# Altium PCB Core_Board.PcbDoc
Units mil, origin at the board's own origin, x right, y up, seen from the top; angles counter-clockwise.
Board outline 2080.06 x 2950.04 mil, 2 copper layers (Top Layer, Bottom Layer); 65 components, 67 nets, 313 pads, 77 vias.
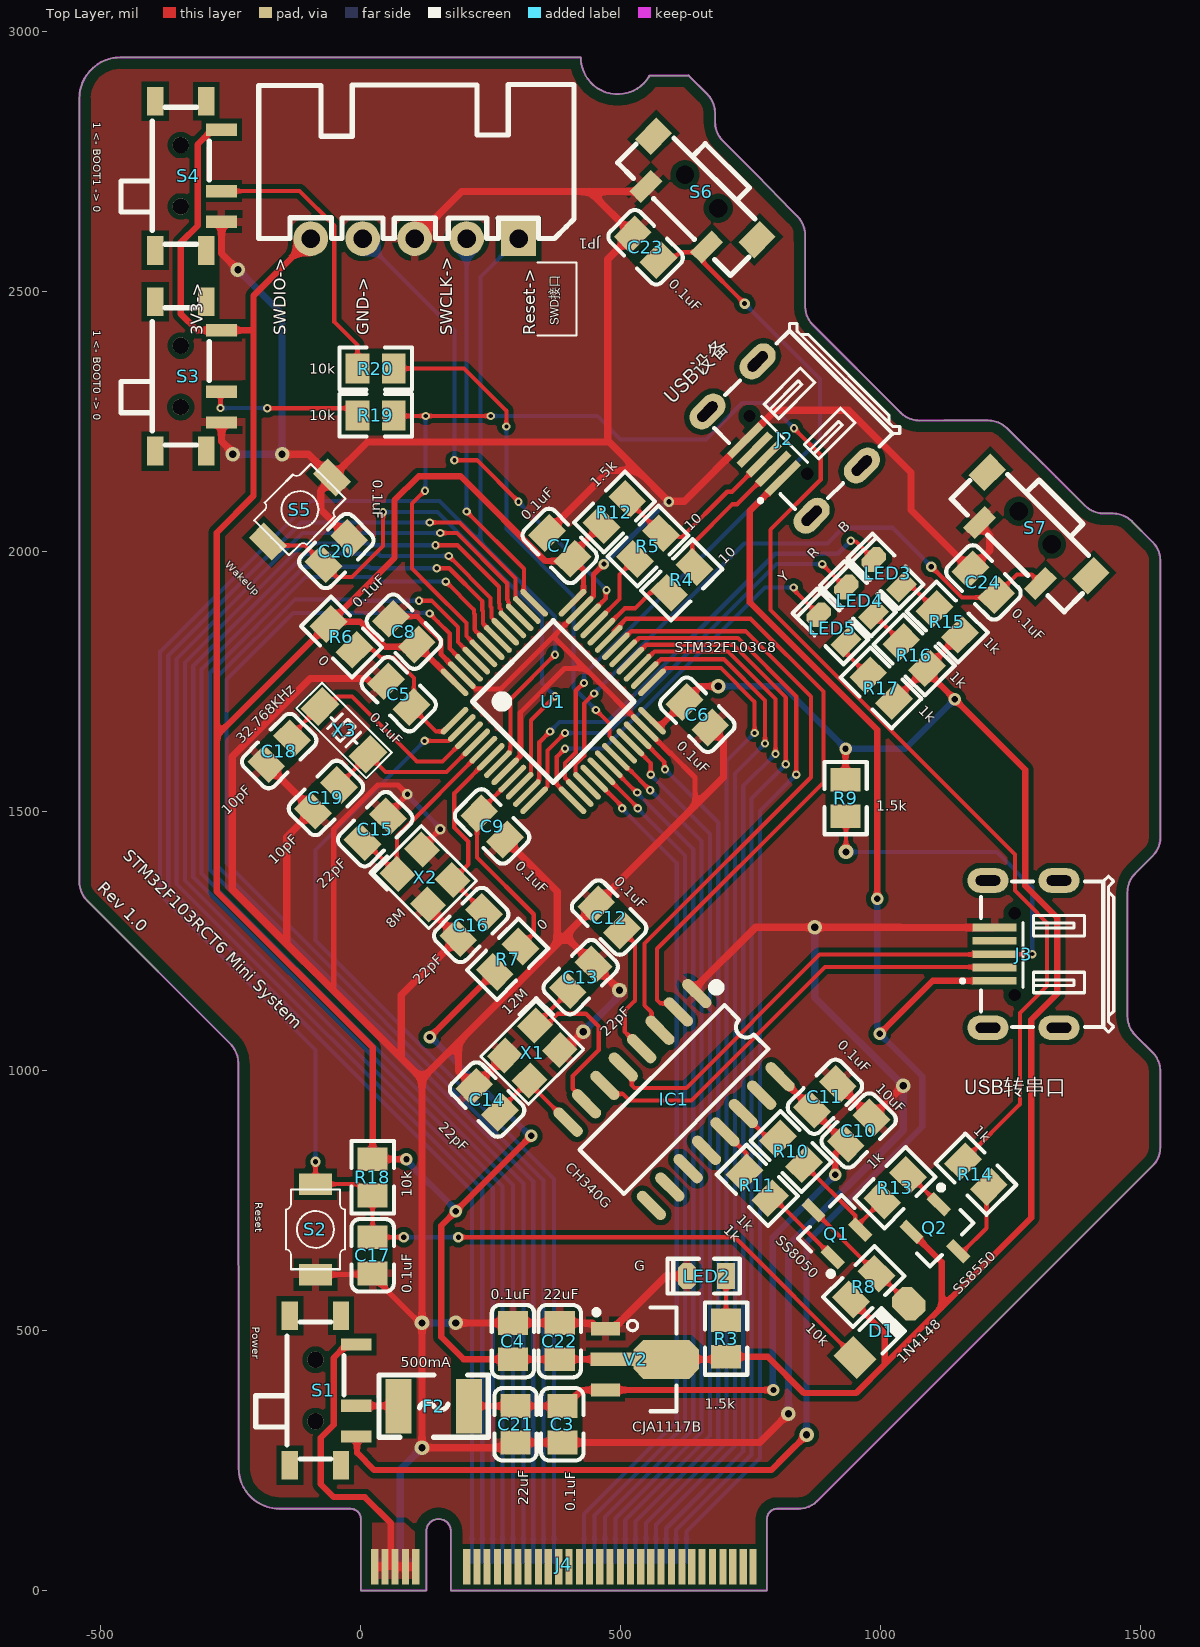
[diagram p0: Top Layer view]
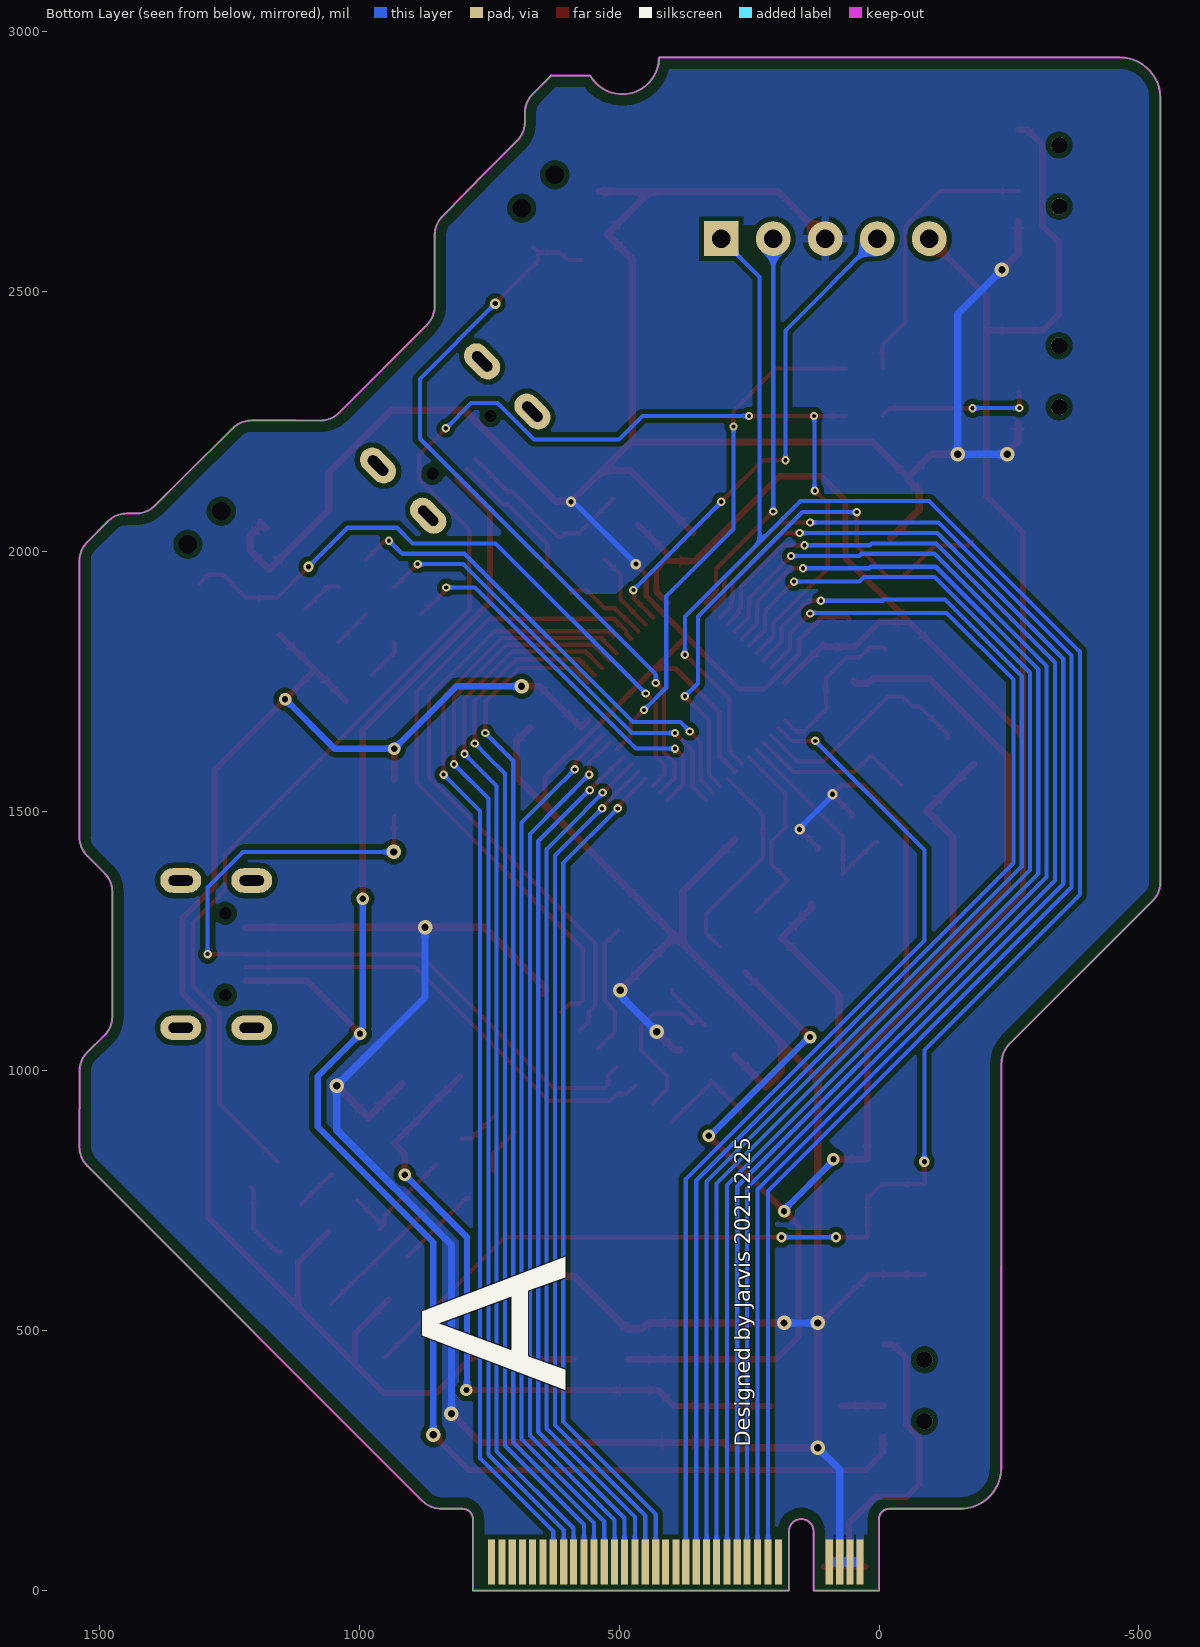
[diagram p1: Bottom Layer view, seen from below]
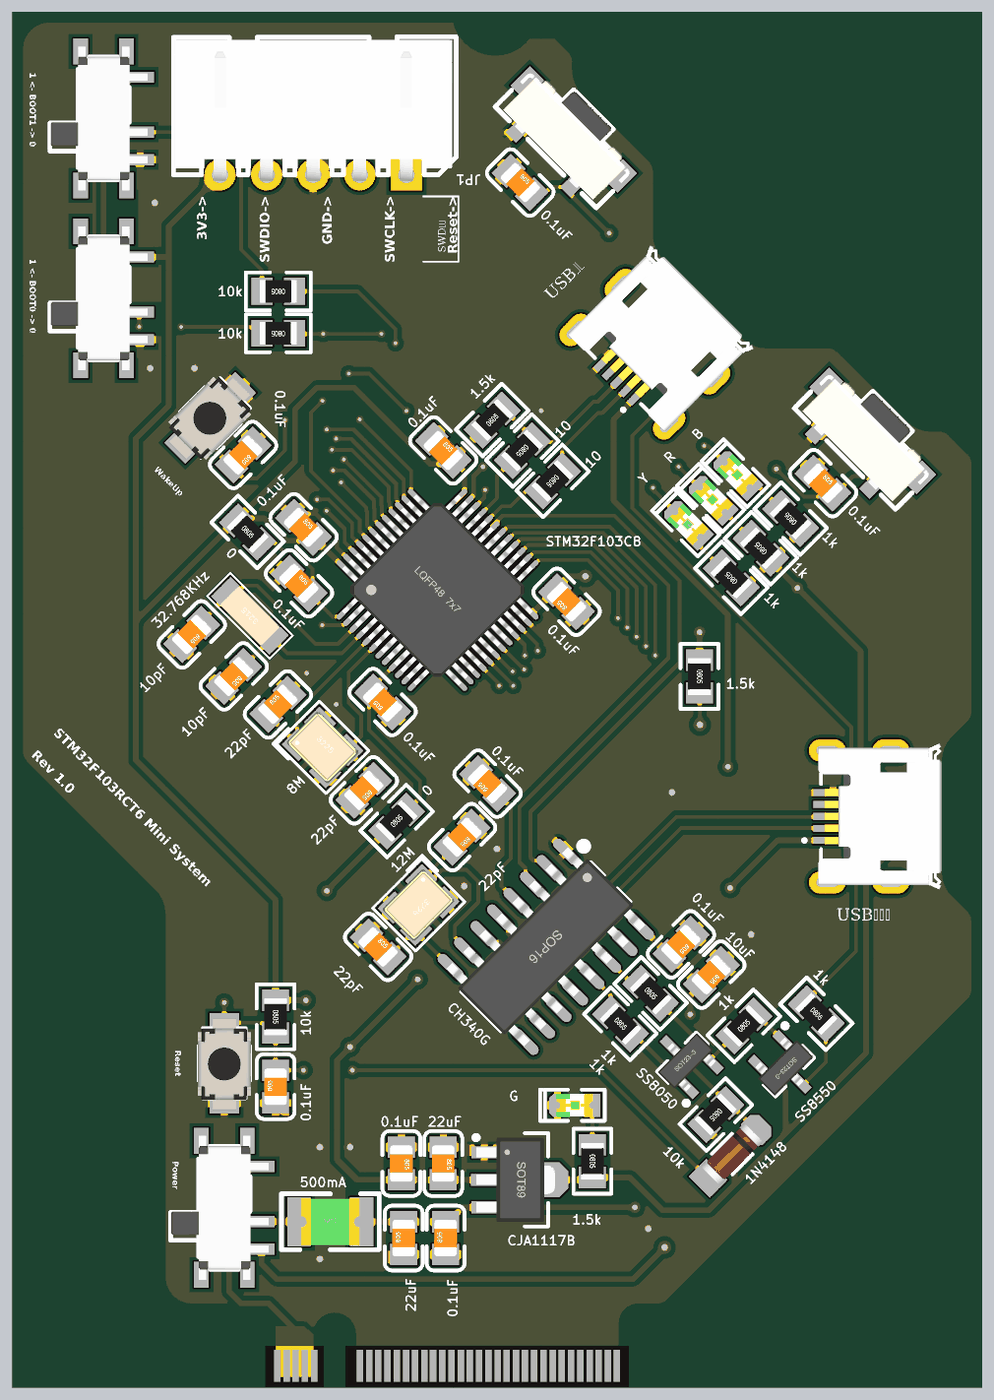
[diagram p2: 3D render of the assembled board from above, using the file's embedded part models]

## Layer stack, top to bottom
Top Solder: solder mask 0.4, Solder Resist, Dk 3.5
Top Layer: signal copper 1.4
Dielectric 1: dielectric 12.6, FR-4, Dk 4.8
Bottom Layer: signal copper 1.4
Bottom Solder: solder mask 0.4, Solder Resist, Dk 3.5

## Board outline
-156.49,157.48 -19.68,157.48 cw(c-19.68,137.8) 0,137.8 0,0 126.02,0 126.02,112.93 125.99,114.17 cw(c149.61,114.17) 173.23,114.17 173.2,112.99 173.2,0 781.5,0 781.5,137.8 cw(c801.18,137.8) 801.18,157.48 842.28,157.48 842.29,157.49 ccw(c842.29,208.7) 878.51,172.49 1523.49,817.47 ccw(c1487.28,853.68) 1538.49,853.68 1538.25,999.75 ccw(c1487.03,999.75) 1523.25,1035.96 1490,1068.79 cw(c1526.21,1105) 1475,1105 1475,1343.8 1475.01,1343.8 cw(c1526.22,1343.8) 1490.01,1380.01 1523.56,1413.56 1523.55,1413.58 ccw(c1487.33,1449.79) 1538.55,1449.79 1538.5,1981.27 ccw(c1487.28,1981.27) 1523.5,2017.48 1483.5,2057.48 ccw(c1447.28,2021.27) 1447.28,2072.48 1429.71,2072.48 cw(c1429.71,2123.69) 1393.5,2087.48 1338.5,2142.48 1243.22,2236.54 ccw(c1207.01,2200.33) 1207.01,2251.54 1207.01,2251.56 1121.8,2251.56 1075.09,2251.26 cw(c1075.09,2302.47) 1038.87,2266.26 870.02,2435.11 870.02,2435.12 cw(c906.24,2471.33) 855.02,2471.33 855.02,2589.98 855,2590 854.85,2608.31 ccw(c803.64,2608.31) 839.85,2644.52 751.48,2734.49 696.48,2789.49 cw(c732.7,2825.71) 681.48,2825.71 681.48,2843.28 ccw(c630.27,2843.28) 666.48,2879.49 630.49,2915.49 630,2915 555.71,2915 cw(c494.1,2950.03) 423.24,2950.03 -462.76,2950.03 -462.76,2950.04 ccw(c-462.76,2871.29) -541.51,2871.29 -541.5,2871.29 -541.5,1363.68 -541.49,1363.68 ccw(c-490.28,1363.68) -526.49,1327.47 -251.51,1052.49 cw(c-289.76,1014.24) -235.67,1014.24 -235.23,236.22 ccw(c-156.49,236.22)

## Design rules (kind name [scope] priority, off if disabled: settings)
Clearance inpolygon_to_keepout [OnLayer('Keep-Out Layer') vs InPolygon] p1: gap=20 ignorepadtopadclearanceinfootprint=FALSE
Clearance Clearance_inpolygon [InPolygon] p2: gap=10 ignorepadtopadclearanceinfootprint=FALSE except(0: Arc-Hole Track-Hole SMDPad-Hole THPad-Hole Via-Hole Fill-Hole Poly-Hole Region-Hole Text-Hole)
Clearance [All] p3: gap=5 ignorepadtopadclearanceinfootprint=FALSE except(0: Arc-Hole Track-Hole SMDPad-Hole THPad-Hole Via-Hole Fill-Hole Poly-Hole Region-Hole Text-Hole; 8: Arc-THPad Arc-Via Arc-Text Track-THPad Track-Via Track-Text SMDPad-THPad SMDPad-Via SMDPad-Text THPad-THPad THPad-Via THPad-Text Via-Via Via-Text Fill-Text Poly-Text Region-Text Text-Text)
ComponentClearance [All] p1: gap=0 collisioncheckmode=3 verticalgap=0 showdistances=FALSE
DiffPairsRouting [All] p1: maxlimit=16 minlimit=16 mostfreqgap=16 toplayer_minwidth=8 toplayer_maxwidth=8 toplayer_prefwidth=8 bottomlayer_minwidth=8 bottomlayer_maxwidth=8 bottomlayer_prefwidth=8 maxuncoupledlength=500
MinimumSolderMaskSliver [All] p1: minsoldermaskwidth=0
PolygonConnect PolygonConnect_5V [InNet('USB_5V_Expansion') vs InNet('USB_5V_Expansion')] p1: connectstyle=Direct reliefconductorwidth=10 reliefentries=4 polygonreliefangle="90 Angle" airgapwidth=10
PolygonConnect [All] p2: thpad.connectstyle=Relief thpad.reliefconductorwidth=15 thpad.reliefentries=4 thpad.polygonreliefangle="90 Angle" thpad.airgapwidth=10 smdpad.connectstyle=Relief smdpad.reliefconductorwidth=15 smdpad.reliefentries=4 smdpad.polygonreliefangle="90 Angle" smdpad.airgapwidth=10 via.connectstyle=Direct via.reliefconductorwidth=10 via.reliefentries=4 via.polygonreliefangle="90 Angle" via.airgapwidth=10
RoutingVias [All] p1: holewidth=10 width=20 viastyle="Through Hole" minholewidth=10 minwidth=20 maxholewidth=10 maxwidth=20
SilkToSilkClearance [All] p1: silktosilkclearance=0
SilkToSolderMaskClearance [IsPad] p1: minsilkscreentomaskgap=0 clearancetoexposedcopper=TRUE
SolderMaskExpansion [All] p1: expansion=4 istentingtop=FALSE
Width Width_GND [InNet('GND')] p1: maxlimit=14 minlimit=10 preferedwidth=14
Width Width_PWR [InNetClass('PWR')] p2: maxlimit=12 minlimit=10 preferedwidth=12
Width [All] p3: maxlimit=8 minlimit=8 preferedwidth=8
25 further rules are at their usual default settings.

## Classes and differential pairs
net class PWR: 3V3 5V USB_5V USB_5V_Core USB_5V_Expansion
differential pair USBtoCH340: +NetIC1_5 -NetIC1_6
differential pair CH340: +CH340_RX -CH340_TX
differential pair USB: +USB_P -USB_N

## Components (designator, comment, footprint, x,y, rotation, side; value= is the part's Value field where it differs from the comment)
C3 "0.1uF" 0805_C 387.71,319.99 r90 top locked value=100nF
C4 "0.1uF" 0805_C 292.71,480.07 r270 top locked value=100nF
C5 "0.1uF" 0805_C 72.93,1724.81 r315 top locked value=100nF
C6 "0.1uF" 0805_C 647.49,1685.25 r135 top locked value=100nF
C7 "0.1uF" 0805_C 382.71,2010.03 r315 top locked value=100nF
C8 "0.1uF" 0805_C 82.71,1845.03 r315 top locked value=100nF
C9 "0.1uF" 0805_C 252.49,1470.25 r135 top locked value=100nF
C10 "10uF" 0805_C 957.93,885.25 r225 top locked value=100nF
C11 "0.1uF" 0805_C 892.93,950.25 r225 top locked value=100nF
C12 "0.1uF" 0805_C 477.71,1295.03 r135 top locked value=100nF
C13 "22pF" 0805_C 422.93,1180.25 r225 top locked value=100nF
C14 "22pF" 0805_C 242.93,944.81 r315 top locked value=100nF
C15 "22pF" 0805_C 27.79,1465.11 r45 top locked value=100nF
C16 "22pF" 0805_C 212.21,1280.69 r225 top locked value=100nF
C17 "0.1uF" 0805_C 22.71,644.99 r90 top locked value=100nF
C18 "10pF" 0805_C -157.07,1615.25 r225 top locked value=100nF
C19 "10pF" 0805_C -67.07,1525.25 r225 top locked value=100nF
C20 "0.1uF" 0805_C -47.07,2000.25 r225 top locked value=100nF
C21 "22uF" 0805_C 297.71,319.99 r90 top locked value=100nF
C22 "22uF" 0805_C 382.71,480.03 r270 top locked value=100nF
C23 "0.1uF" 0805_C 547.93,2584.81 r315 top locked value=100nF
C24 "0.1uF" 0805_C 1197.93,1939.81 r315 top locked value=100nF
D1 "1N4148" "MINI_MELF (LL34)" 1002.71,500.03 r45 top locked
F2 "500mA" "FU 1210" 140.21,355.03 r0 top locked
IC1 "CH340G" SOP16_N 602.71,945.03 r315 top locked
J2 "USB_Micro" USB-MICRO 863.78,2264.91 r135 top locked
J3 "USB_Micro" USB-MICRO 1343.5,1224.6 r90 top locked
J4 "M-Key Insert" "M-KEY INSERT" 26.71,46.03 r0 top locked
JP1 "HDR-1X5" XH2.54-WI-5P 103.5,2601.33 r180 top
LED2 "G" "LED 0805G" 665.11,605.03 r180 top locked
LED3 "B" "LED 0805B" 1013.43,1957.44 r135 top locked
LED4 "R" "LED 0805R" 960.4,1904.41 r135 top locked
LED5 "Y" "LED 0805Y" 907.37,1851.37 r135 top locked
Q1 "SS8050" SOT23-3N 902.71,700.03 r45 top locked
Q2 "SS8550" SOT23-3N 1117.71,685.03 r225 top locked
R3 "1.5k" 0805_R 702.71,485.03 r270 top locked value=1K
R4 "10" 0805_R 617.49,1944.81 r225 top locked value=1K
R5 "10" 0805_R 552.49,2009.81 r225 top locked value=1K
R6 "0" 0805_R -37.29,1835.03 r315 top locked value=1K
R7 "0" 0805_R 282.49,1214.81 r45 top locked value=1K
R8 "10k" 0805_R 967.71,585.03 r225 top locked value=1K
R9 "1.5k" 0805_R 932.71,1524.99 r270 top locked value=1K
R10 "1k" 0805_R 827.71,845.03 r315 top locked value=1K
R11 "1k" 0805_R 762.93,779.81 r315 top locked value=1K
R12 "1.5k" 0805_R 487.93,2075.25 r45 top locked value=1K
R13 "1k" 0805_R 1027.93,775.25 r45 top locked value=1K
R14 "1k" 0805_R 1183.5,801.33 r315 top locked value=1K
R15 "1k" 0805_R 1128.3,1863.79 r135 top locked value=1K
R16 "1k" 0805_R 1064.63,1800.18 r135 top locked value=1K
R17 "1k" 0805_R 1000.99,1736.54 r135 top locked value=1K
R18 "10k" 0805_R 22.71,795.07 r270 top locked value=1K
R19 "10k" 0805_R 28.5,2261.33 r180 top locked value=1K
R20 "10k" 0805_R 28.54,2351.33 r180 top locked value=1K
S1 "Switch_MSK-12C01-07" MSK-12C01-07 -87.29,385.03 r270 top locked
S2 "Button_3*4*2" "TSW SMD-3*4*2" -87.29,695.03 r270 top locked
S3 "Switch_MSK-12C01-07" MSK-12C01-07 -346.5,2336.33 r270 top locked
S4 "Switch_MSK-12C01-07" MSK-12C01-07 -346.5,2722.27 r270 top locked
S5 "Button_3*4*2" "TSW SMD-3*4*2" -117.29,2080.03 r225 top locked
S6 "Button_3*6" "TSW SMD-3*6*4.3_V" 655.7,2692.04 r135 top locked
S7 "Button_3*6" "TSW SMD-3*6*4.3_V" 1297.71,2045.03 r135 top locked
U1 "STM32F103C8" "LQFP48 7X7_N" 370.29,1710.7 r315 top locked
V2 "CJA1117B" SOT89_N 547.71,445.03 r270 top locked
X1 "12M" "OSC 3225-4P" 329.82,1034.82 r225 top locked
X2 "8M" "OSC 3225-4P" 123.61,1372.82 r315 top locked
X3 "32.768KHz" "OSC 3215-2P" -32.29,1655.03 r135 top locked

## Footprints (in the part's own frame and the unit in brackets; to place one, negate y for a bottom-side part, rotate by r counter-clockwise, add the part's x,y. Pads: shape width x height; smd on the part's side, far side on the other; paste and mask are expansions set on the pad)
0805_C [mm]
  rect 1.16x1.47 smd: 1(-0.89,0) 2(0.89,0)
  silkscreen extent -1.77,-1.04 1.77,1.04, body extent -1,-0.62 1,0.63, height 0.77
0805_R [mm]
  rect 1.16x1.47 smd: 1(-0.89,0) 2(0.89,0)
  silkscreen extent -1.77,-1.03 1.77,1.03, body extent -1,-0.62 1,0.63, height 0.49
"FU 1210" [mil] "贴片保险丝"
  rect 50x105 smd: 1(-67.5,0) 2(67.5,0)
  silkscreen extent -105,-60 105,60, body extent -63,-50 63,50, height 34
"LED 0805B" [mil] "蓝色0805LED"
  rect 35x50 smd: 1(-37.4,-0.01)
  oct 35x50 smd: 2(37.4,-0.01)
  silkscreen extent -64,-33 75,33, body extent -39,-25 39,25, height 32
"LED 0805G" [mil] "绿色0805LED"
  rect 35x50 smd: 1(-37.4,0)
  oct 35x50 smd: 2(37.4,0)
  silkscreen extent -64,-33 75,33, body extent -39,-25 39,25, height 32
"LED 0805R" [mil] "红色0805LED"
  rect 35x50 smd: 1(-37.41,0)
  oct 35x50 smd: 2(37.4,0)
  silkscreen extent -64,-33 75,33, body extent -39,-25 39,25, height 32
"LED 0805Y" [mil] "黄色0805LED"
  rect 35x50 smd: 1(-37.4,0)
  oct 35x50 smd: 2(37.4,0)
  silkscreen extent -64,-33 75,33, body extent -39,-25 39,25, height 32
"LQFP48 7X7_N" [mm] "48脚，体宽7x7mm，脚距0.5mm"
  oval 0.279x1.8 smd: 1(-2.75,-4.075) 2(-2.25,-4.075) 3(-1.75,-4.075) 4(-1.25,-4.075) 5(-0.75,-4.075) 6(-0.25,-4.075) 7(0.25,-4.075) 8(0.75,-4.075) 9(1.25,-4.075) 10(1.75,-4.075) 11(2.25,-4.075) 12(2.75,-4.075) 25(2.75,4.075) 26(2.25,4.075) 27(1.75,4.075) 28(1.25,4.075) 29(0.75,4.075) 30(0.25,4.075) 31(-0.25,4.075) 32(-0.75,4.075) 33(-1.25,4.075) 34(-1.75,4.075) 35(-2.25,4.075) 36(-2.75,4.075)
  oval 1.8x0.279 smd: 13(4.075,-2.75) 14(4.075,-2.25) 15(4.075,-1.75) 16(4.075,-1.25) 17(4.075,-0.75) 18(4.075,-0.25) 19(4.075,0.25) 20(4.075,0.75) 21(4.075,1.25) 22(4.075,1.75) 23(4.075,2.25) 24(4.075,2.75) 37(-4.075,2.75) 38(-4.075,2.25) 39(-4.075,1.75) 40(-4.075,1.25) 41(-4.075,0.75) 42(-4.075,0.25) 43(-4.075,-0.25) 44(-4.075,-0.75) 45(-4.075,-1.25) 46(-4.075,-1.75) 47(-4.075,-2.25) 48(-4.075,-2.75)
  silkscreen extent -2.79,-2.79 2.79,2.79, body extent -4.5,-4.5 4.5,4.5, height 1.45
"M-KEY INSERT" [mil] "M.2 金手指"
  rect 13.8x68 smd: 1(0,0) 3(20,0) 5(39,0) 7(59,0) 11(177,0) 13(197,0) 15(216,0) 17(236,0) 19(256,0) 21(276,0) 23(295,0) 25(315,0) 27(334,0) 29(354,0) 31(374,0) 33(394,0) 35(413,0) 37(433,0) 39(453,0) 41(473,0) 43(492,0) 45(512,0) 47(531,0) 49(551,0) 51(571,0) 53(591,0) 55(610,0) 57(630,0) 59(650,0) 61(670,0) 63(689,0) 65(709,0) 67(728,0)
  rect 13.8x86 smd far side: 2(10,9) 4(29,9) 6(49,9) 8(69,9) 10(167,9) 12(187,9) 14(207,9) 16(227,9) 18(246,9) 20(266,9) 22(286,9) 24(305,9) 26(325,9) 28(345,9) 30(364,9) 32(384,9) 34(403,9) 36(423,9) 38(443,9) 40(463,9) 42(482,9) 44(502,9) 46(522,9) 48(541,9) 50(561,9) 52(580,9) 54(600,9) 56(620,9) 58(640,9) 60(659,9) 62(679,9) 64(699,9) 66(719,9)
  rect 13.8x68 smd mask+4: 9(79,0)
  Keep-Out Layer lines w3.94: -46.39,111.45 cw(c-46.39,91.77) -26.71,91.76 -26.71,-46.03 99.31,-46.03 99.31,66.9 cw(c122.9,68.14) 146.49,66.96 146.49,-46.03 754.79,-46.03 754.79,91.76 cw(c774.47,91.77) 774.47,111.45
"MINI_MELF (LL34)" [mm] "1.5*3.4mm(直径，脚距）"
  rect 1.37x1.62 smd: 1(-1.855,0)
  oct 1.37x1.62 smd: 2(1.855,0)
  silkscreen extent -0.76,-0.8 0.78,0.8, body extent -1.7,-0.75 1.7,0.75, height 1.5
MSK-12C01-07 [mm]
  rect 1.4x0.8 smd: 0(-3.65,-1.25) 0(-3.65,1.25) 0(3.65,-1.25) 0(3.65,1.25)
  rect 0.6x1.5 smd: 1(2.25,1.996) 2(0.75,1.996) 3(-2.25,1.996)
  round 0.8 hole 0.8: " "(-1.5,0) " "(1.5,0)
  silkscreen extent -3.35,-2.92 3.35,1.4, body extent -3.92,-2.89 3.92,2.41, height 1.5
"OSC 3215-2P" [mm] "3.2*1.5*0.6mm(长宽高)"
  rect 1.2x1.5 smd: 1(-1.65,0) 2(1.65,0)
  silkscreen extent -2.41,-0.89 2.41,0.89, body extent -1.6,-0.75 1.6,0.75, height 0.61
"OSC 3225-4P" [mm] "3.2*2.5*0.7mm(长宽高)"
  rect 1.3x1.2 smd: 1(-1.05,-0.85) 2(1.05,-0.85) 3(1.05,0.85) 4(-1.05,0.85)
  silkscreen extent -2.03,-1.75 1.9,1.65, body extent -1.6,-1.25 1.6,1.25, height 0.7
SOP16_N [mm] "10.3*6.2*1.8mm（长宽高）"
  oval 1.8x0.55 smd: 1(-2.877,4.445) 2(-2.877,3.175) 3(-2.877,1.905) 4(-2.877,0.635) 5(-2.877,-0.635) 6(-2.877,-1.905) 7(-2.877,-3.175) 8(-2.877,-4.445) 9(2.877,-4.445) 10(2.877,-3.175) 11(2.877,-1.905) 12(2.877,-0.635) 13(2.877,0.635) 14(2.877,1.905) 15(2.877,3.175) 16(2.877,4.445)
  silkscreen extent -2.57,-5 1.52,5.49, body extent -3,-5 3,5, height 1.9
SOT23-3N [mm] "3x1.3x1mm(长宽高)"
  rect 0.5x1.2 smd: 1(-0.95,-1.143) 2(0.95,-1.143) 3(0,1.143)
  silkscreen extent -1.72,-1.78 1.5,0.7, body extent -1.5,-1.2 1.5,1.2, height 1.05
SOT89_N [mm] "CJA1117_4.6x4.3x1.6mm(长宽高)"
  rect 0.65x1.4 smd: 1(-1.5,-1.952) 3(1.5,-1.952)
  oct 1.9x3.2 smd: 2(0,1.016)
  rect 0.65x2.1 smd: 2(0,-1.626)
  silkscreen extent -2.54,-2.52 2.54,1.52, body extent -2.3,-2.4 2.3,1.9, height 1.6
"TSW SMD-3*4*2" [mm] "贴片按键3*4*2"
  rect 1.05x1.6 smd: 1(-2.21,0) 2(2.21,0)
  silkscreen extent -1.95,-1.45 1.95,1.45, body extent -2.46,-1.45 2.54,1.45, height 1.7
"TSW SMD-3*6*4.3_V" [mm] "侧立贴片3*6*4.3"
  rect 1.1x1.5 smd: 0(-3.575,-0.25) 0(3.575,-0.25)
  round 0 hole 0.9: 0(-1.15,0) 0(1.15,0)
  rect 0.8x1.5 smd: 1(2.1,1.75) 2(-2.1,1.75)
  silkscreen extent -3.9,-1.78 3.9,1.91, body extent -3.9,-1.79 3.9,1.91, height 3.51
USB-MICRO [mm] "micro型USB ，6.7*7.5*2.5mm"
  rect 0.381x2.15 smd: 1(-1.3,3.16) 2(-0.65,3.16) 3(0,3.16) 4(0.65,3.16) 5(1.3,3.16)
  oval 1.2x2 hole 0.5 slot 1.2 at 90 deg: ""(-3.6,0) ""(-3.6,3.47) ""(3.6,3.47) ""(3.6,0)
  round 0 hole 0.6 unplated: ""(-2,2.17) ""(2,2.17)
  silkscreen extent -3.81,-2.67 3.81,4.79, body extent -3.99,-2.75 3.99,3.95, height 2.79
XH2.54-WI-5P [mm] "接插件，5P"
  rect 1.7x1.7 hole 0.9: 1(-5.08,0)
  round 1.7 hole 0.9: 2(-2.54,0) 3(0,0) 4(2.54,0) 5(5.08,0)
  silkscreen extent -7.8,-7.53 7.62,0, body extent -7.58,-7.35 7.58,0.35, height 5.73

## Part data
C3 C4 C5 C6 C7 C8 C9 C10 C11 C12 C17 C20 C21 C22 C23 C24: library part Cap_SMD, "0805贴片电容", Voltage=63V, Published=8-Jun-2000, Publisher="Altium Limited", Revision="July-2002: Re-released for DXP Platform.", 实物样品照片=https://item.taobao.com/item.htm?spm=a230r.1.14.32.21fd24b7VWml4d&id=37914290992&ns=1&abbucket=13#detail
C13 C14 C15 C16 C18 C19: library part Cap_SMD, "贴片电容", Voltage=63V, Published=8-Jun-2000, Publisher="Altium Limited", Revision="July-2002: Re-released for DXP Platform.", 实物样品照片=https://item.taobao.com/item.htm?spm=a230r.1.14.32.21fd24b7VWml4d&id=37914290992&ns=1&abbucket=13#detail
D1: "高速开关二极管", BOM名称=高速开关二极管, 学习资源=www.ooocke.com, 版权归属=源创客
F2: library part FU, "贴片保险丝", BOM名称=贴片保险丝, 学习资源=www.ooocke.com, 版权归属=源创客
IC1: "串口转USB", BOM名称=串口转USB, 学习资源=www.ooocke.com, 版权归属=源创客
J2 J3: Temp_Range="-55&#8451; to 105&#8451;", AGILE_PN=211-80104, CAD_APPROVED=Yes, CLASS=IO, HEIGHT=2.8MM, MFG_NAME01="ANYTRONIC CORPORATION LIMITED", MFG_PN01=23970101#LCP-58LF, ROHS=Yes
J4: "M.2 金手指"
JP1: library part "Header 5", "5P接插件", BOM名称=5P接插件, 学习资源=www.ooocke.com, 版权归属=源创客
LED2: library part LED_G, "绿色LED", Published=8-Jun-2000, Publisher="Altium Limited", Revision="July-2002: Re-released for DXP Platform."
LED3: library part LED_B, "蓝色LED", Published=8-Jun-2000, Publisher="Altium Limited", Revision="July-2002: Re-released for DXP Platform."
LED4: library part LED_R, "红色LED", Published=8-Jun-2000, Publisher="Altium Limited", Revision="July-2002: Re-released for DXP Platform."
LED5: library part LED_Y, "黄色LED", Published=8-Jun-2000, Publisher="Altium Limited", Revision="July-2002: Re-released for DXP Platform."
Q1: library part 8050-SMD, "高频放大-NPN型", BOM名称=高频放大-NPN型, 学习资源=www.ooocke.com, 属性="40V 1.5A 1W 100MHZ", 版权归属=源创客
Q2: library part 8550-SMD, "高频放大-PNP型", BOM名称=高频放大-PNP型, 学习资源=www.ooocke.com, 属性="40V 1.5A 1W 100MHZ", 版权归属=源创客
R3 R4 R5 R6 R7 R8 R9 R10 R11 R12 R13 R14 R15 R16 R17 R18 R19 R20: library part Res_SMD, "0805贴片电阻", LatestRevisionDate=17-Jul-2002, LatestRevisionNote="Re-released for DXP Platform.", PackageDescription="Axial Device, Thru-Hole; 2 Leads; 0.4 in Pin Spacing", PackageReference=AXIAL-0.4, Published=8-Jun-2000, Publisher="Altium Limited"
S6 S7: "3mm*4mm*按钮长度待定", LatestRevisionDate=17-Jul-2002, LatestRevisionNote="Re-released for DXP Platform.", PackageReference=SPST-2, Published=24-Mar-1999, Publisher="Altium Limited"
U1: "Flaah:64/RAM:20/IO:36", BOM名称=32位STM单片机
V2: "三端稳压芯片", BOM名称=稳压芯片, 学习资源=www.ooocke.com, 版权归属=源创客
X1 X2: library part XTAL-4P, "4脚无源晶振", BOM名称=4脚无源晶振, 学习资源=www.ooocke.com, 版权归属=源创客, 负载电容=CL20pF
X3: library part XTAL-2P, "2脚无源脚晶振", BOM名称=2脚无源脚晶振, 学习资源=www.ooocke.com, 版权归属=源创客, 负载电容=10pF
S2 S5: LatestRevisionDate=17-Jul-2002, LatestRevisionNote="Re-released for DXP Platform.", PackageReference=SPST-2, Published=24-Mar-1999, Publisher="Altium Limited"

## Via types
v1: diameter 16, hole 8, Top Layer to Bottom Layer, tented both sides, 44 vias
v2: diameter 28, hole 14, Top Layer to Bottom Layer, tented both sides, 14 vias
v3: diameter 24, hole 12, Top Layer to Bottom Layer, tented both sides, 10 vias
v4: diameter 20, hole 10, Top Layer to Bottom Layer, tented both sides, 9 vias
